# KiCad board toro60_hs.kicad_pcb (continued)
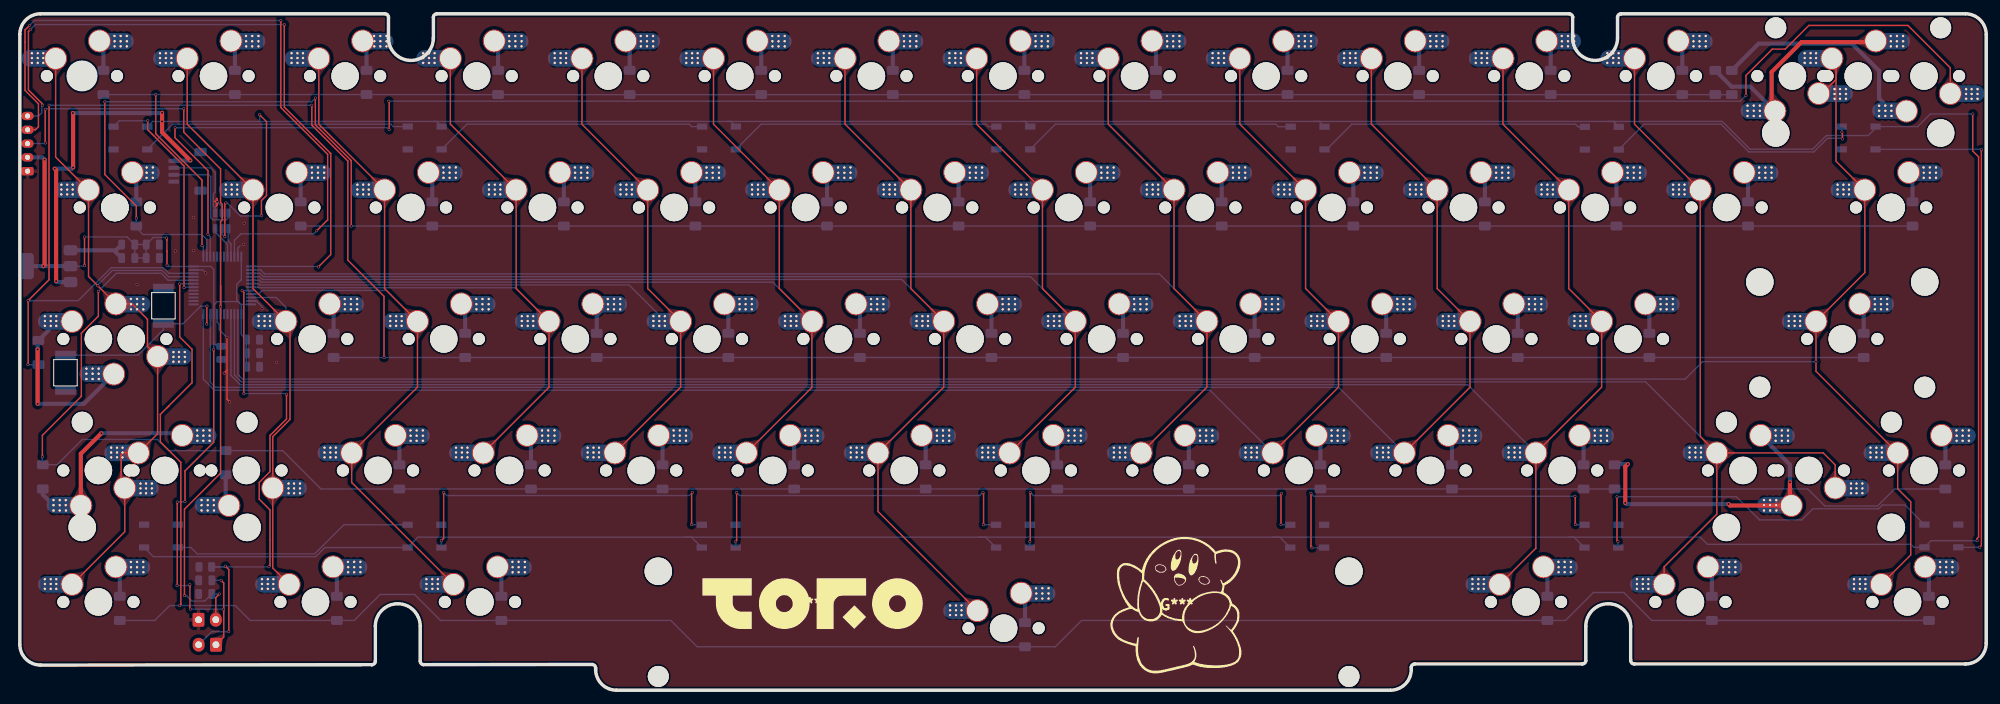
[diagram p0: board, top side]
## Footprints (pads in the part's own frame, mm; a bottom-side part is the same pattern mirrored in y, then rotated) (continued)
  round 0.4 hole 0.3: 1(4.7,5.8) 1(4.725,5.035) 1(4.725,4.3) 1(5.6,5.8) 1(5.6,5.035) 1(5.6,4.3) 1(6.5,5.8) 1(6.5,5.035) 1(6.5,4.3) 2(-7.75,3.3) 2(-7.75,2.6) 2(-7.75,1.9) 2(-6.9,3.3) 2(-6.9,2.6) 2(-6.9,1.9) 2(-6.1,3.3) 2(-6.1,2.6) 2(-6.1,1.9)
  oval 5.5x2.41 smd far side: 1(4.75,5.035) 2(-6,2.55)
MXOnly-6.25U-Hotswap-ReversedStabilizers
  round 3.988 hole 3.988 unplated: (-50,8.255) (0,0) (50,8.255)
  round 3.048 hole 3.048 unplated: (-50,-6.985) (50,-6.985)
  round 1.75 hole 1.75 unplated: (-5.08,0) (5.08,0)
  round 3.3 hole 3: 1(2.54,5.08) 2(-3.81,2.54)
  round 0.4 hole 0.3: 1(4.7,5.8) 1(4.725,5.035) 1(4.725,4.3) 1(5.6,5.8) 1(5.6,5.035) 1(5.6,4.3) 1(6.5,5.8) 1(6.5,5.035) 1(6.5,4.3) 2(-7.75,3.3) 2(-7.75,2.6) 2(-7.75,1.9) 2(-6.9,3.3) 2(-6.9,2.6) 2(-6.9,1.9) 2(-6.1,3.3) 2(-6.1,2.6) 2(-6.1,1.9)
  oval 5.5x2.41 smd far side: 1(4.75,5.035) 2(-6,2.55)
R_0805_2012Metric
  rrect 1.025x1.4 smd: 1(-0.912,0) 2(0.912,0)
SOT-23-6
  rrect 1.325x0.6 smd: 1(-1.137,0.95) 2(-1.137,0) 3(-1.137,-0.95) 4(1.137,-0.95) 5(1.137,0) 6(1.137,0.95)
SOT-223-3_TabPin2
  rrect 2x1.5 smd: 1(-3.15,2.3) 2(-3.15,0) 3(-3.15,-2.3)
  rrect 2x3.8 smd: 2(3.15,0)

## Nets
+3.3V: C1.2 C2.2 C3.2 C4.2 C5.2 C6.2 C7.2 C8.2 C9.2 J2.2 SWbôt1.1 U2.2 Ud1.1 Ud1.9 Ud1.24 Ud1.36 Ud1.48
+5V: Drgb1.1 Drgb2.1 Drgb3.1 Drgb4.1 Drgb5.1 Drgb6.1 Drgb7.1 Drgb8.1 Drgb9.1 Drgb10.1 Drgb11.1 Drgb12.1 Drgb13.1 Drgb14.1 J1.1 U2.3 U3.5
GND: C1.1 C2.1 C3.1 C4.1 C5.1 C6.1 C7.1 C8.1 C9.1 C10.2 Dled1.2 Dled2.2 Drgb1.3 Drgb2.3 Drgb3.3 Drgb4.3 Drgb5.3 Drgb6.3 Drgb7.3 Drgb8.3 Drgb9.3 Drgb10.3 Drgb11.3 Drgb12.3 Drgb13.3 Drgb14.3 J1.4 J2.1 R1.2 SWbôtrst1.1 U2.1 U3.2 Ud1.8 Ud1.23 Ud1.35 Ud1.47
boot: R1.1 SWbôt1.2 Ud1.44
C0: SW1.2 SW16.2 SW30.2 SW43.2 SW57.2 SW1002.1 SW1004.2 Ud1.21
C1: SW2.2 SW17.2 SW31.2 SW44.2 SW58.2 Ud1.46
C2: SW3.2 SW18.2 SW32.2 SW45.2 SW59.2 Ud1.45
C3: SW4.2 SW19.2 SW33.2 SW46.2 Ud1.43
C4: SW5.2 SW20.2 SW34.2 SW47.2 Ud1.42
C5: SW6.2 SW21.2 SW35.2 SW48.2 Ud1.41
C6: SW7.2 SW22.2 SW36.2 SW49.2 SW63.2 Ud1.40
C7: SW8.2 SW23.2 SW37.2 SW50.2 Ud1.39
C8: SW9.2 SW24.2 SW38.2 SW51.2 Ud1.38
C9: SW10.2 SW25.2 SW39.2 SW52.2 Ud1.12
C10: SW11.2 SW26.2 SW40.2 SW53.2 Ud1.10
C11: SW12.2 SW27.2 SW41.2 SW54.2 SW68.2 Ud1.4
C12: SW13.2 SW28.2 SW55.2 SW69.2 SW1005.2 Ud1.3
C13: SW14.2 SW29.2 SW42.2 SW56.2 SW70.2 SW1000.2 Ud1.2
C14: SW15.2 Ud1.27
CLK: J2.5 Ud1.37
D+: U3.4 Ud1.33
D-: U3.6 Ud1.32
DIO: J2.4 Ud1.34
R0: D1.1 D2.1 D3.1 D4.1 D5.1 D6.1 D7.1 D8.1 D9.1 D10.1 D11.1 D12.1 D13.1 D14.1 D15.1 Ud1.25
R1: D16.1 D17.1 D18.1 D19.1 D20.1 D21.1 D22.1 D23.1 D24.1 D25.1 D26.1 D27.1 D28.1 D29.1 Ud1.26
R2: D30.1 D31.1 D32.1 D33.1 D34.1 D35.1 D36.1 D37.1 D38.1 D39.1 D40.1 D41.1 D42.1 Ud1.22
R3: D43.1 D44.1 D45.1 D46.1 D47.1 D48.1 D49.1 D50.1 D51.1 D52.1 D53.1 D54.1 D55.1 D56.1 Ud1.20
R4: D57.1 D58.1 D59.1 D63.1 D68.1 D69.1 D70.1 Ud1.19
RGB: Drgb14.4 Ud1.18
RST: C10.1 J2.3 SWbôtrst1.2 Ud1.7
Net-(D1-A): D1.2 SW1.1
Net-(D2-A): D2.2 SW2.1
Net-(D3-A): D3.2 SW3.1
Net-(D4-A): D4.2 SW4.1
Net-(D5-A): D5.2 SW5.1
Net-(D6-A): D6.2 SW6.1
Net-(D7-A): D7.2 SW7.1
Net-(D8-A): D8.2 SW8.1
Net-(D9-A): D9.2 SW9.1
Net-(D10-A): D10.2 SW10.1
Net-(D11-A): D11.2 SW11.1
Net-(D12-A): D12.2 SW12.1
Net-(D13-A): D13.2 SW13.1
Net-(D14-A): D14.2 SW14.1 SW1000.1
Net-(D15-A): D15.2 SW15.1
Net-(D16-A): D16.2 SW16.1
Net-(D17-A): D17.2 SW17.1
Net-(D18-A): D18.2 SW18.1
Net-(D19-A): D19.2 SW19.1
Net-(D20-A): D20.2 SW20.1
Net-(D21-A): D21.2 SW21.1
Net-(D22-A): D22.2 SW22.1
Net-(D23-A): D23.2 SW23.1
Net-(D24-A): D24.2 SW24.1
Net-(D25-A): D25.2 SW25.1
Net-(D26-A): D26.2 SW26.1
Net-(D27-A): D27.2 SW27.1
Net-(D28-A): D28.2 SW28.1
Net-(D29-A): D29.2 SW29.1
Net-(D30-A): D30.2 SW30.1 SW1002.2
Net-(D31-A): D31.2 SW31.1
Net-(D32-A): D32.2 SW32.1
Net-(D33-A): D33.2 SW33.1
Net-(D34-A): D34.2 SW34.1
Net-(D35-A): D35.2 SW35.1
Net-(D36-A): D36.2 SW36.1
Net-(D37-A): D37.2 SW37.1
Net-(D38-A): D38.2 SW38.1
Net-(D39-A): D39.2 SW39.1
Net-(D40-A): D40.2 SW40.1
Net-(D41-A): D41.2 SW41.1
Net-(D42-A): D42.2 SW42.1
Net-(D43-A): D43.2 SW43.1 SW1004.1
Net-(D44-A): D44.2 SW44.1
Net-(D45-A): D45.2 SW45.1
Net-(D46-A): D46.2 SW46.1
Net-(D47-A): D47.2 SW47.1
Net-(D48-A): D48.2 SW48.1
Net-(D49-A): D49.2 SW49.1
Net-(D50-A): D50.2 SW50.1
Net-(D51-A): D51.2 SW51.1
Net-(D52-A): D52.2 SW52.1
Net-(D53-A): D53.2 SW53.1
Net-(D54-A): D54.2 SW54.1
Net-(D55-A): D55.2 SW55.1 SW1005.1
Net-(D56-A): D56.2 SW56.1
Net-(D57-A): D57.2 SW57.1
Net-(D58-A): D58.2 SW58.1
Net-(D59-A): D59.2 SW59.1
Net-(D63-A): D63.2 SW63.1
Net-(D68-A): D68.2 SW68.1
Net-(D69-A): D69.2 SW69.1
Net-(D70-A): D70.2 SW70.1
Net-(Dled1-K): Dled1.1 Dled2.1 Ud1.11
Net-(Drgb1-DIN): Drgb1.4 Drgb14.2
Net-(Drgb1-DOUT): Drgb1.2 Drgb2.4
Net-(Drgb2-DOUT): Drgb2.2 Drgb3.4
Net-(Drgb3-DOUT): Drgb3.2 Drgb4.4
Net-(Drgb4-DOUT): Drgb4.2 Drgb5.4
Net-(Drgb5-DOUT): Drgb5.2 Drgb6.4
Net-(Drgb6-DOUT): Drgb6.2 Drgb7.4
Net-(Drgb7-DOUT): Drgb7.2 Drgb8.4
Net-(Drgb8-DOUT): Drgb8.2 Drgb9.4
Net-(Drgb10-DIN): Drgb9.2 Drgb10.4
Net-(Drgb10-DOUT): Drgb10.2 Drgb11.4
Net-(Drgb11-DOUT): Drgb11.2 Drgb12.4
Net-(Drgb12-DOUT): Drgb12.2 Drgb13.4
Net-(J1-Pin_2): J1.2 U3.1
Net-(J1-Pin_3): J1.3 U3.3

Pads without a net: Drgb13 2; J1 MP; Ud1 5 6 13 14 15 16 17 28 29 30 31

## Via types
v1: diameter 0.4, hole 0.3, Top to Bottom, 114 vias

## Routing (per net, layer and track width the routed paths; a pad name or vN(x,y) marks a point on that pad's centre or on a via; arc(x,y) is an arc through that point)
+3.3V: length 155.2
  Top w0.2: v1(22.8,27.26) 22.8,15.19 v1(22.77,15.16) ; v1(28.07,49.35) 28.07,35.93 23.91,31.76 v1(23.91,27.31) ; v1(29.16,15.89) 29.52,15.53 v1(29.52,11.71) 29.52,7.72 SWbôt1.1 ; v1(21.31,61.58) 21.31,63.55 21.3,63.57 21.3,65.46 v1(21.24,65.51) ; v1(9.36,65.67) v1(9.36,61.5) ; v1(24.68,11.74) 24.62,11.8 v1(24.62,15.29)
  Top w0.6: v1(3.41,61.44) 3.59,61.62 v1(3.59,76.88)
  Bottom w0.2: v1(24.62,15.29) 24.49,15.16 v1(22.77,15.16) ; v1(29.52,11.71) 29.49,11.74 v1(24.68,11.74) ; C9.2 32.8,46.86 C8.2 32.07,51.52 Ud1.1 32.07,55.83 32,55.9 ; v1(9.36,61.5) 9.3,61.44 U2.2 ; v1(21.24,65.51) 21.16,65.6 19.32,65.6 C2.2 ; C4.2 28.53,49.82 28.07,50.29 28.07,50.61 ; v1(22.8,27.26) 22.84,27.31 v1(23.91,27.31) ; Ud1.9 28.07,60.98 27.65,61.4 Ud1.24 21.5,61.4 v1(21.31,61.58) ; Ud1.9 28.07,50.61 ; Ud1.9 28.07,55.81 28.56,56.3 31.6,56.3 ; Ud1.36 32.07,59.47 31.41,58.8 31.41,56.5 31.6,56.3 ; 31.6,56.3 32,55.9 ; 32,55.9 Ud1.48 ; C2.2 C7.2 C6.2 C1.2 ; C2.2 C1.2 ; v1(9.36,65.67) 15.55,65.67 C1.2 ; 28.07,50.61 v1(28.07,49.35) ; v1(29.16,15.89) 29.13,15.92 27.8,15.92
  Bottom w0.6: U2.2 v1(3.41,61.44) U2.2 ; v1(3.59,76.88) 3.27,77.2 J2.2
+5V: length 702.2
  Top w0.2: v1(283.39,21.66) 283.39,21.99 283.6,22.2 283.6,77.28 282.75,78.13 282.75,83.45 v1(282.77,83.48) ; v1(29.69,65.69) 29.69,70.47 v1(29.83,70.61) ; v1(34.7,83.39) 35.71,82.38 35.71,71.67 34.98,70.94 v1(34.98,68.74)
  Top w0.6: v1(24.68,76.75) 20.59,80.84 v1(20.59,82.41) v1(20.59,83.65) ; v1(7.71,75.73) 7.71,83.59 v1(7.68,83.62) ; v1(5.05,75.55) 5.25,75.34 v1(5.25,59.27)
  Bottom w0.2: 34.73,82.41 34.73,83.06 34.7,83.09 v1(34.7,83.39) ; 34.73,82.41 19.22,82.41 18.46,81.65 ; 34.73,82.41 59.88,82.41 ; 141.34,20.67 139.83,22.17 138.81,22.17 ; v1(283.39,21.66) 276.72,21.66 Drgb7.1 274.27,20.7 274.26,20.69 273.82,21.13 244.34,21.13 243.31,22.17 224.31,22.17 ; 181.38,22.17 182.44,22.17 Drgb9.1 ; 181.38,22.17 138.81,22.17 ; 181.38,22.17 224.31,22.17 ; 226.54,20.67 225.03,22.17 224.31,22.17 ; v1(29.69,65.69) 29.24,66.14 U3.5 ; 230.04,82.41 230.72,82.41 Drgb5.1 230.89,82.23 230.89,82.41 ; 230.04,82.41 187.45,82.41 ; 230.04,82.41 230.89,82.41 ; 138.81,22.17 96.27,22.17 ; 59.88,82.41 60.32,82.41 Drgb1.1 ; 59.88,82.41 102.48,82.41 ; 230.89,82.41 246.48,82.41 250.5,78.39 259.58,78.39 261.56,80.36 267.62,80.36 268.68,81.42 Drgb6.1 274.79,81.66 276.62,83.48 v1(282.77,83.48) ; 96.27,22.17 57.64,22.17 Drgb12.1 44.18,20.67 42.86,19.35 19.32,19.35 Drgb13.1 ; 96.27,22.17 97.23,22.17 98.74,20.67 ; v1(34.98,68.74) 34.95,68.71 31.93,68.71 30.03,70.61 v1(29.83,70.61) ; 145,82.41 145.54,82.41 146.29,81.66 ; 145,82.41 102.48,82.41 ; 145,82.41 187.45,82.41 ; 102.48,82.41 102.93,82.41 Drgb2.1 ; 187.45,82.41 188.14,82.41 188.9,81.65
  Bottom w0.6: U2.3 5.39,59.14 v1(5.25,59.27) ; v1(7.68,83.62) 20.56,83.62 v1(20.59,83.65) ; v1(24.68,76.75) 22.36,76.75 J1.1 ; v1(5.05,75.55) 7.53,75.55 v1(7.71,75.73)
GND: length 33.5
  Top w0.2: v1(30,51.11) 30,46.36 ; 30,46.36 v1(29.58,45.94) ; 30,46.36 30,42.14 v1(30.38,41.76) ; 28.38,70.09 28.56,70.27 v1(28.56,70.76) ; v1(28.56,70.76) 28.56,70.85 28.41,71.01 ; v1(28.56,70.76) 28.56,71.2 28.5,71.26 ; v1(28.56,70.76) 28.3,70.76 28.2,70.86 ; v1(28.56,70.76) 28.56,70.55 28.43,70.41
  Bottom w0.2: v1(28.56,70.76) 29.24,70.09 U3.2 ; Ud1.8 28.57,53.32 28.88,53.01 28.88,52.24 v1(30,51.11) ; Ud1.23 26.47,60.9 v1(26.93,60.44) ; Ud1.35 31.57,64.08 31.88,64.39 ; Ud1.47 34.25,56.4 35.08,55.57 v1(35.08,55.29)
  Bottom w0.6: C6.1 13.91,63.45 13.91,63.74 ; 13.91,63.74 C1.1 ; 13.91,63.74 U2.1
  vias: v1(16.98,58.76) v1(22.5,63.64) v1(25.16,68.51) v1(25.18,63.69) v1(32.48,67.66) v1(32.41,64.61) v1(37.18,47.51)
boot: length 75.1
  Top w0.2: v1(29.77,17.97) 30.25,17.48 v1(30.25,8.48) ; v1(38.61,42.88) 38.61,39.3 36.22,36.9 36.22,31.66 34.67,30.11 34.67,27.67 36.22,26.12 36.22,18.05 v1(36.06,17.89) ; v1(32.42,42.97) 32.42,57.65 v1(32.19,57.89)
  Bottom w0.2: v1(32.19,57.89) 32.19,57.9 Ud1.44 ; v1(29.77,17.97) 29.65,17.86 R1.1 36.03,17.86 v1(36.06,17.89) ; SWbôt1.2 27.78,8.48 v1(30.25,8.48) ; v1(32.42,42.97) 38.52,42.97 v1(38.61,42.88)
C0: length 105.8
  Top w0.2: SW1.2 5.18,77.24 SW16.2 9.95,59.94 SW1002.1 16.25,55.97 18.48,53.74 18.48,49.81 SW30.2 19.95,37.16 17.17,34.38 14.83,34.38 14.67,34.22 14.67,29.81 SW43.2 15.19,22.95 SW57.2
  Bottom w0.2: Ud1.21 21.53,59.9 20.62,60.81 13.39,60.81 11.3,58.72 v1(11.3,58.58)
C1: length 92.1
  Top w0.2: SW58.2 36.62,17.71 SW44.2 36.62,36.74 39.11,39.23 39.11,52.84 SW31.2 33.76,58.19 SW17.2 24.23,82 SW2.2
  Bottom w0.2: SW31.2 38.52,55.47 37.09,56.9 Ud1.46
C2: length 118.3
  Top w0.2: SW59.2 48.05,30.09 48.05,34.38 57.57,43.9 SW32.2 52.81,58.19 SW18.2 43.28,82 SW3.2
  Bottom w0.2: SW32.2 53.08,57.92 35.1,57.92 34.58,57.4 Ud1.45
C3: length 112.2
  Top w0.2: SW4.2 62.33,82 SW19.2 71.86,58.19 SW33.2 76.62,43.9 67.1,34.38
  Bottom w0.2: SW33.2 71.73,58.32 34.61,58.32 34.53,58.4 Ud1.43
C4: length 129.3
  Top w0.2: SW5.2 81.39,82 90.91,72.48 90.91,58.19 SW34.2 95.67,43.9 86.15,34.38
  Bottom w0.2: Ud1.42 34.6,58.9 34.78,58.72 88.2,58.72 SW34.2
C5: length 150.7
  Top w0.2: SW6.2 100.43,82 SW21.2 109.96,58.19 SW35.2 114.68,53.38 114.68,43.86 105.2,34.38
  Bottom w0.2: Ud1.41 34.67,59.4 34.95,59.12 109.03,59.12 SW35.2
C6: length 198.8
  Top w0.2: SW7.2 119.48,82 SW22.2 129.01,58.19 SW36.2 133.77,43.9 124.25,34.38 124.25,25.9 SW63.2
  Bottom w0.2: Ud1.40 34.73,59.9 35.11,59.52 127.68,59.52 SW36.2
C7: length 189.2
  Top w0.2: 143.3,34.38 152.82,43.9 SW37.2 148.06,58.19 SW23.2 138.54,82 SW8.2
  Bottom w0.2: Ud1.39 34.8,60.4 35.28,59.92 146.33,59.92 SW37.2
C8: length 208.5
  Top w0.2: 162.35,34.38 171.87,43.9 SW38.2 167.11,58.19 SW24.2 157.58,82 SW9.2
  Bottom w0.2: Ud1.38 34.86,60.9 35.44,60.32 164.98,60.32 SW38.2
C9: length 235.7
  Top w0.2: 181.4,34.38 190.92,43.9 SW39.2 186.16,58.19 SW25.2 176.63,82 SW10.2
  Bottom w0.2: 26.57,54.49 26.57,45.06 28.16,43.47 172.3,43.47 181.4,34.38
C10: length 254
  Top w0.2: SW11.2 195.69,82 SW26.2 205.21,58.19 SW40.2 209.97,43.9 200.45,34.38
  Bottom w0.2: 200.45,34.38 190.95,43.87 28.33,43.87 27.57,44.63 27.57,54.49
C11: length 290.7
  Top w0.2: SW68.2 219.5,20.57 219.5,34.38 229.02,43.9 SW41.2 224.26,58.19 SW27.2 214.74,82 SW12.2
  Bottom w0.2: Ud1.4 30.57,45.61 31.9,44.27 209.6,44.27 219.5,34.38
C12: length 333.6
  Top w0.2: 245.69,34.38 261.11,34.38 262.84,32.65 SW1005.2 ; 245.69,34.38 245.69,25.5 238.07,17.88 SW69.2 ; 245.69,34.38 243.31,36.76 SW28.2 233.78,82 SW13.2
  Bottom w0.2: 245.69,34.38 235.4,44.67 32.07,44.67 31.07,45.67 Ud1.3
C13: length 332.9
  Top w0.2: SW70.2 273.77,19.59 273.77,27.3 271.88,29.18 271.88,34.38 260.05,46.21 v1(260.05,47.6) SW42.2 267.12,60.5 SW29.2 262.95,76.65 262.95,90.94 ; SW14.2 260.92,86.45 262.95,88.48 262.95,90.94 ; SW1000.2 262.95,90.94
  Bottom w0.2: Ud1.2 31.57,45.74 32.23,45.07 241.1,45.07 243.63,47.6 v1(260.05,47.6)
C14: length 294.7
  Top w0.2: v1(249.91,86.16) 249.91,89.07 253.74,92.89 255.6,92.89 259.02,96.31 273.37,96.31 279.5,90.17 SW15.2 ; v1(53.47,81.21) 53.47,85.29 v1(53.42,85.34) ; v1(27.23,66.06) 27.23,75.28 22.48,80.04 v1(22.48,81.51)
  Bottom w0.2: v1(22.48,81.51) 53.18,81.51 v1(53.47,81.21) ; 27.57,62.81 27.57,65.73 v1(27.23,66.06) ; v1(53.42,85.34) 249.09,85.34 v1(249.91,86.16)
CLK: length 100.8
  Top w0.2: v1(3.27,84.74) 3.27,84.95 1.24,86.98 1.24,95.45 v1(1.51,95.71) ; v1(43.22,61.32) 45.02,63.11 45.02,77.76 38.3,84.48 v1(38.3,96.44)
  Bottom w0.2: v1(3.27,84.74) 3.17,84.64 3.17,83.66 2.71,83.2 J2.5 ; v1(43.22,61.32) 43.15,61.4 Ud1.37 ; v1(1.51,95.71) 2.24,96.44 v1(38.3,96.44)
D+: length 4.2
  Bottom w0.2: Ud1.33 30.57,64.67 30.19,65.05 U3.4
D-: length 4.8
  Bottom w0.2: Ud1.32 30.07,64.6 28.29,66.38 U3.6
DIO: length 103
  Top w0.2: v1(42.98,66.56) 44.57,68.15 44.57,77.64 37.8,84.41 v1(37.8,97.03) ; v1(1.39,96.3) 0.75,95.66 0.75,93.91 0.74,93.9 0.74,86.91 2.7,84.96 2.7,81.63 2.26,81.2 J2.4
  Bottom w0.2: v1(1.39,96.3) 2.12,97.03 v1(37.8,97.03) ; v1(42.98,66.56) 42.55,66.12 32.02,66.12 31.07,65.18 Ud1.34
R0: length 262.1
  Top w0.2: v1(19.67,86.3) 19.67,80.61 26.38,73.91 v1(26.38,64.4)
  Bottom w0.2: D15.1 63.61,86.29 63.61,86.3 v1(19.67,86.3) D1.1 ; v1(26.38,64.4) 26.57,64.21 26.57,62.81
R1: length 318.3
  Top w0.2: v1(42.78,85.8) 42.78,81.94 47.98,76.74 v1(47.98,67.25) ; v1(12.3,85.25) 12.3,74.71 16.86,70.15 v1(16.86,68.39)
  Bottom w0.2: v1(42.78,85.8) 42.23,85.25 v1(12.3,85.25) ; D17.1 v1(47.98,67.25) D29.1 ; 27.07,62.81 27.07,65.31 26.35,66.02 17.82,66.02 16.86,66.99 D16.1 16.86,68.39 v1(16.86,68.39)
R2: length 367.1
  Top w0.2: v1(42.28,84.76) 42.28,81.87 47.48,76.67 47.48,62.31 52.73,57.06 v1(52.73,48.2) ; v1(1.16,47.17) 1.2,47.21 v1(1.2,56.44) 4.23,59.47 v1(4.23,84.76)
  Bottom w0.2: D42.1 v1(52.73,48.2) D31.1 ; v1(1.2,56.44) 8.45,56.44 13.23,61.21 20.78,61.21 21.6,60.4 Ud1.22 ; v1(1.16,47.17) D30.1 ; v1(42.28,84.76) 42.28,84.75 4.24,84.75 v1(4.23,84.76)
R3: length 325.8
  Top w0.2: v1(3.27,33.83) 3.27,36.93 8.91,42.58 8.91,51.73 11.37,54.2 v1(11.37,57.81)
  Bottom w0.2: Ud1.20 21.47,59.4 20.45,60.41 13.98,60.41 v1(11.37,57.81) ; v1(3.27,33.83) 3.27,32.72 D43.1 5.39,32.66 9.05,36.33 19.94,36.33 21.55,34.71 D44.1 38.05,34.71 43.61,29.15 D45.1 230.89,29.15 D55.1 258.85,29.16 261.33,26.68 268.96,26.68 271.44,29.15 D56.1
R4: length 357.8
  Top w0.2: 21.61,41.23 24.93,44.55 24.93,49.39 23.16,51.17 v1(23.16,58.86) ; 21.61,41.23 21.31,40.93 ; 21.61,41.23 20.35,39.97 20.35,35.98 23.32,33.01 23.32,12.45 v1(23.13,12.26)
  Bottom w0.2: Ud1.19 23.19,58.9 v1(23.16,58.86) ; D57.1 19.53,10.1 21.7,12.26 v1(23.13,12.26) 31.19,12.26 33.34,10.1 D58.1 48.41,10.1 52.17,13.87 57.14,13.87 60.91,10.1 D59.1 94.26,10.1 98.07,6.29 D63.1 149.92,6.29 153.73,10.1 D68.1 223.78,10.1 227.83,14.15 232.23,14.15 236.28,10.1 D70.1 D69.1
RGB: length 33.1
  Top w0.2: v1(18.52,82.5) 18.52,81.2 23.77,75.95 v1(23.77,58.32)
  Bottom w0.2: v1(18.52,82.5) 14.41,82.5 13.56,81.65 ; v1(23.77,58.32) 23.85,58.4 Ud1.18
RST: length 116.6
  Top w0.2: v1(23.73,84.25) 23.73,80.85 29.06,75.52 29.06,70.64 29.29,70.41 29.29,68.14 29.06,67.91 29.06,58.6 ; 29.06,58.6 29.06,31.44 23.84,26.21 v1(23.84,13.71) ; 29.06,58.6 v1(29.06,55.56) ; v1(3.68,79.29) 3.67,79.3 v1(3.67,84.16) ; 28.37,10.21 28.37,13.42 v1(28.89,13.94)
  Bottom w0.2: Ud1.7 29.07,55.56 v1(29.06,55.56) ; v1(3.68,79.29) 3.59,79.2 J2.3 ; v1(23.73,84.25) 3.77,84.25 v1(3.67,84.16) ; v1(23.84,13.71) 24.11,13.71 24.91,12.91 26.77,12.91 C10.1 28.89,13.94 v1(28.89,13.94)
Net-(D1-A): length 4.5
  Bottom w0.6: SW1.1 12.09,93.51 D1.2
Net-(D2-A): length 4.5
  Bottom w0.6: SW2.1 31.14,93.51 D2.2
Net-(D3-A): length 4.5
  Bottom w0.6: D3.2 50.19,93.51 SW3.1
Net-(D4-A): length 4.5
  Bottom w0.6: SW4.1 69.25,93.51 D4.2
Net-(D5-A): length 4.5
  Bottom w0.6: SW5.1 88.3,93.51 D5.2
Net-(D6-A): length 4.5
  Bottom w0.6: D6.2 107.34,93.51 SW6.1
Net-(D7-A): length 4.5
  Bottom w0.6: D7.2 126.39,93.51 SW7.1
Net-(D8-A): length 4.5
  Bottom w0.6: SW8.1 145.44,93.51 D8.2
Net-(D9-A): length 4.5
  Bottom w0.6: D9.2 164.5,93.51 SW9.1
Net-(D10-A): length 4.5
  Bottom w0.6: D10.2 183.55,93.51 SW10.1
Net-(D11-A): length 4.5
  Bottom w0.6: D11.2 202.59,93.51 SW11.1
Net-(D12-A): length 4.5
  Bottom w0.6: D12.2 221.64,93.51 SW12.1
Net-(D13-A): length 4.5
  Bottom w0.6: D13.2 240.69,93.51 SW13.1
Net-(D14-A): length 33.9
  Top w0.6: SW14.1 253.63,84.38 253.63,89.58 257.96,93.9 268.54,93.9 SW1000.1
  Bottom w0.6: SW14.1 250.57,87.44 247.83,87.44 D14.2
Net-(D15-A): length 31.1
  Bottom w0.6: D15.2 251.76,93.68 265.25,93.68 269.19,89.74 269.19,85.73 SW15.1
Net-(D16-A): length 4.5
  Bottom w0.6: SW16.1 16.86,74.46 D16.2
Net-(D17-A): length 4.5
  Bottom w0.6: SW17.1 40.67,74.46 D17.2
Net-(D18-A): length 4.5
  Bottom w0.6: D18.2 59.72,74.46 59.16,75.02
Net-(D19-A): length 4.5
  Bottom w0.6: SW19.1 78.77,74.46 D19.2
Net-(D20-A): length 4.5
  Bottom w0.6: SW20.1 97.82,74.46 D20.2
Net-(D21-A): length 4.5
  Bottom w0.6: SW21.1 116.87,74.46 D21.2
Net-(D22-A): length 4.5
  Bottom w0.6: SW22.1 135.92,74.46 D22.2
Net-(D23-A): length 4.5
  Bottom w0.6: 154.41,75.02 154.97,74.46 D23.2
Net-(D24-A): length 4.5
  Bottom w0.6: SW24.1 174.02,74.46 D24.2
Net-(D25-A): length 4.5
  Bottom w0.6: D25.2 193.07,74.46 192.51,75.02
Net-(D26-A): length 4.5
  Bottom w0.6: SW26.1 212.12,74.46 D26.2
Net-(D27-A): length 4.5
  Bottom w0.6: D27.2 231.17,74.46 SW27.1
Net-(D28-A): length 4.5
  Bottom w0.6: D28.2 250.22,74.46 249.66,75.02
Net-(D29-A): length 4.5
  Bottom w0.6: SW29.1 274.03,74.46 D29.2
Net-(D30-A): length 28.1
  Top w0.6: v1(2.59,49.37) 2.57,49.36 v1(2.57,41.49)
  Bottom w0.6: v1(2.57,41.49) 9.28,41.49 SW30.1 ; SW1002.2 5.45,53.43 D30.2 2.59,50.56 v1(2.59,49.37)
Net-(D31-A): length 4.5
  Bottom w0.6: D31.2 45.43,55.41 SW31.1
Net-(D32-A): length 4.5
  Bottom w0.6: D32.2 64.48,55.41 SW32.1
Net-(D33-A): length 4.9
  Bottom w0.6: SW33.1 83.53,54.27 D33.2
Net-(D34-A): length 4.5
  Bottom w0.6: SW34.1 102.58,55.41 D34.2
Net-(D35-A): length 4.5
  Bottom w0.6: D35.2 121.63,55.41 SW35.1
Net-(D36-A): length 4.5
  Bottom w0.6: SW36.1 140.68,55.41 D36.2
Net-(D37-A): length 4.5
  Bottom w0.6: SW37.1 159.73,55.41 D37.2
Net-(D38-A): length 4.5
  Bottom w0.6: SW38.1 178.78,55.41 D38.2
Net-(D39-A): length 4.5
  Bottom w0.6: SW39.1 197.83,55.41 D39.2
Net-(D40-A): length 4.5
  Bottom w0.6: SW40.1 216.88,55.41 D40.2
Net-(D41-A): length 4.5
  Bottom w0.6: SW41.1 235.93,55.41 D41.2
Net-(D42-A): length 4.5
  Bottom w0.6: SW42.1 266.96,55.41 D42.2
Net-(D43-A): length 26.6
  Top w0.6: 8.84,26.76 8.83,26.76 8.83,34.26 v1(11.8,37.23)
  Bottom w0.6: SW1004.1 23.2,37.23 v1(11.8,37.23) ; D43.2 3.32,28.35 SW43.1
Net-(D44-A): length 4.6
  Bottom w0.6: D44.2 29.8,27.22 30.27,26.76
Net-(D45-A): length 4.5
  Bottom w0.6: SW45.1 54.96,36.36 D45.2
Net-(D46-A): length 4.5
  Bottom w0.6: D46.2 74.01,36.36 SW46.1
Net-(D47-A): length 4.5
  Bottom w0.6: D47.2 93.06,36.36 SW47.1
Net-(D48-A): length 4.5
  Bottom w0.6: D48.2 112.11,36.36 SW48.1
Net-(D49-A): length 4.5
  Bottom w0.6: SW49.1 131.16,36.36 D49.2
Net-(D50-A): length 4.5
  Bottom w0.6: SW50.1 150.21,36.36 D50.2
Net-(D51-A): length 4.5
  Bottom w0.6: SW51.1 169.26,36.36 D51.2
Net-(D52-A): length 4.5
  Bottom w0.6: D52.2 188.31,36.36 SW52.1
Net-(D53-A): length 4.5
  Bottom w0.6: D53.2 207.36,36.36 SW53.1
Net-(D54-A): length 4.5
  Bottom w0.6: D54.2 226.41,36.36 SW54.1
Net-(D55-A): length 43.9
  Top w0.6: v1(256.28,30.13) 256.28,26.96 256.49,26.76 247.61,26.76 v1(247.39,26.97) ; v1(232.44,27.13) 232.44,32.39 v1(232.81,32.76)
  Bottom w0.6: SW55.1 256.28,32.67 v1(256.28,30.13) ; v1(232.81,32.76) 231,32.76 D55.2 ; v1(232.44,27.13) 232.6,26.97 v1(247.39,26.97)
Net-(D56-A): length 4.5
  Bottom w0.6: D56.2 278.79,36.36 SW56.1
Net-(D57-A): length 4.5
  Bottom w0.6: 13.92,17.87 14.48,17.31 D57.2
Net-(D58-A): length 4.5
  Bottom w0.6: 45.35,17.87 45.91,17.31 D58.2
Net-(D59-A): length 4.5
  Bottom w0.6: D59.2 69.72,17.31 69.16,17.87
Net-(D63-A): length 4.5
  Bottom w0.6: SW63.1 145.54,13.5 D63.2
Net-(D68-A): length 4.5
  Bottom w0.6: 220.61,17.87 221.17,17.31 D68.2
Net-(D69-A): length 4.5
  Bottom w0.6: D69.2 244.98,17.31 244.42,17.87
Net-(D70-A): length 4.5
  Bottom w0.6: D70.2 276.41,17.31 275.85,17.87
Net-(Dled1-K): length 28
  Top w0.2: v1(27.09,55.65) 27.07,55.63 v1(27.07,53.05)
  Bottom w0.2: 27.07,54.49 v1(27.07,53.05) ; Dled1.1 6.65,48.54 17.11,48.54 20.79,52.23 Dled2.1 23.63,53.11 26.18,55.65 v1(27.09,55.65)
Net-(Drgb1-DIN): length 39.4
  Bottom w0.2: Drgb1.4 54.06,81.66 53.72,82.01 22.12,82.01 Drgb14.2
Net-(Drgb1-DOUT): length 39.4
  Bottom w0.2: Drgb1.2 64.72,82.01 96.92,82.01 97.27,81.66 98.78,81.66
Net-(Drgb2-DOUT): length 39.4
  Bottom w0.2: Drgb3.4 140.24,81.66 139.88,82.01 107.33,82.01 Drgb2.2
Net-(Drgb3-DOUT): length 39.4
  Bottom w0.2: 184,81.65 182.21,81.65 181.86,82.01 149.94,82.01 146.29,78.36
Net-(Drgb4-DOUT): length 39.4
  Bottom w0.2: Drgb4.2 189.2,78.35 192.82,81.97 192.82,81.98 192.85,82.01 225.25,82.01 225.63,81.63 226.6,81.63
Net-(Drgb5-DOUT): length 38.3
  Top w0.2: v1(263.81,80.86) 263.88,80.78 v1(263.88,79.86)
  Bottom w0.2: Drgb5.2 235.18,82.01 246.31,82.01 250.33,77.99 259.75,77.99 261.72,79.96 263.78,79.96 v1(263.88,79.86) ; v1(263.81,80.86) 263.81,81.63 Drgb6.4
Net-(Drgb6-DOUT): length 76.2
  Top w0.2: v1(284,78.32) 284,20.95 v1(283.75,20.7)
  Bottom w0.2: Drgb7.4 283.75,20.7 v1(283.75,20.7) ; v1(284,78.32) 283.96,78.36 Drgb6.2
Net-(Drgb7-DOUT): length 55.4
  Top w0.2: v1(231.25,28.02) 231.25,21.67 v1(231.38,21.53)
  Bottom w0.2: v1(231.38,21.53) 231.38,20.72 Drgb8.4 ; Drgb7.2 272.93,26.83 269.68,26.83 269.13,26.28 259.6,26.28 258,24.67 251.88,24.67 248.53,28.02 v1(231.25,28.02)
Net-(Drgb8-DOUT): length 53.6
  Top w0.2: v1(225.22,24) 225.2,24.02 225.2,28.05 v1(225.15,28.1) ; v1(186.94,28.53) 186.94,20.77 v1(187.08,20.62)
  Bottom w0.2: Drgb9.4 188.8,20.62 v1(187.08,20.62) ; v1(225.15,28.1) 187.37,28.1 v1(186.94,28.53) ; 226.54,23.97 225.26,23.97 v1(225.22,24)
Net-(Drgb10-DIN): length 50.6
  Top w0.2: v1(182.67,28.5) 182.61,28.44 v1(182.61,24.01) ; v1(146.24,21.53) 146.3,21.59 v1(146.3,28.65)
  Bottom w0.2: v1(146.24,21.53) 146.24,20.67 Drgb10.4 ; v1(182.61,24.01) 182.65,23.97 Drgb9.2 ; v1(146.3,28.65) 146.75,28.2 182.37,28.2 v1(182.67,28.5)
Net-(Drgb10-DOUT): length 50.6
  Top w0.2: v1(139.44,28.65) 139.54,28.56 v1(139.54,23.97) ; v1(103.79,28.64) 103.79,21.67 v1(103.64,21.53)
  Bottom w0.2: v1(103.64,21.53) 103.64,20.67 Drgb11.4 ; v1(139.54,23.97) 139.54,23.97 141.34,23.97 ; v1(139.44,28.65) 139,28.2 104.23,28.2 v1(103.79,28.64)
Net-(Drgb11-DOUT): length 50.7
  Top w0.2: v1(61.36,28.65) 61.36,22 v1(61.03,21.67) ; v1(97.27,23.99) 97.27,28.54 v1(97.37,28.65)
  Bottom w0.2: 98.74,23.97 97.29,23.97 v1(97.27,23.99) ; v1(61.03,21.67) 61.03,20.67 61.04,20.67 ; v1(61.36,28.65) 61.81,28.2 96.92,28.2 v1(97.37,28.65)
Net-(Drgb12-DOUT): length 35.4
  Bottom w0.2: Drgb13.4 24.76,20.69 25.7,19.75 42.69,19.75 46.91,23.97 Drgb12.2
Net-(J1-Pin_2): length 12.3
  Bottom w0.2: U3.1 28.29,69.88 28.03,70.14 28.03,71.93 28.29,72.19 28.29,75 27.61,75.68 J1.2
Net-(J1-Pin_3): length 14.9
  Bottom w0.2: J1.3 27.37,74.68 27.63,74.41 27.63,68.47 27.95,68.16 29.87,68.16 30.19,68.48 U3.3

## Copper pours and planes (outline as drawn; the poured copper is in the pictures)
GND on Top, Bottom: -21.01,118.44 304.53,121.11 295.45,-20.97 -48.52,-17.23

Small or netless copper shapes (teardrops, artwork), in the pictures only: 215 on Top, 461 on Bottom

## Text on the board
B.Fab: ${REFERENCE}
